# Altium PCB PATHOS_ControllerBoardExp.PcbDoc (part 3 of 4)
Units mm, origin at the board's own origin, x right, y up, seen from the top; angles counter-clockwise.
Board outline 165 x 96 mm, 4 copper layers (Top Layer, Mid-Layer 1, Mid-Layer 2, Bottom Layer), stack 1.642 mm thick; 300 components, 336 nets, 1573 pads, 768 vias.
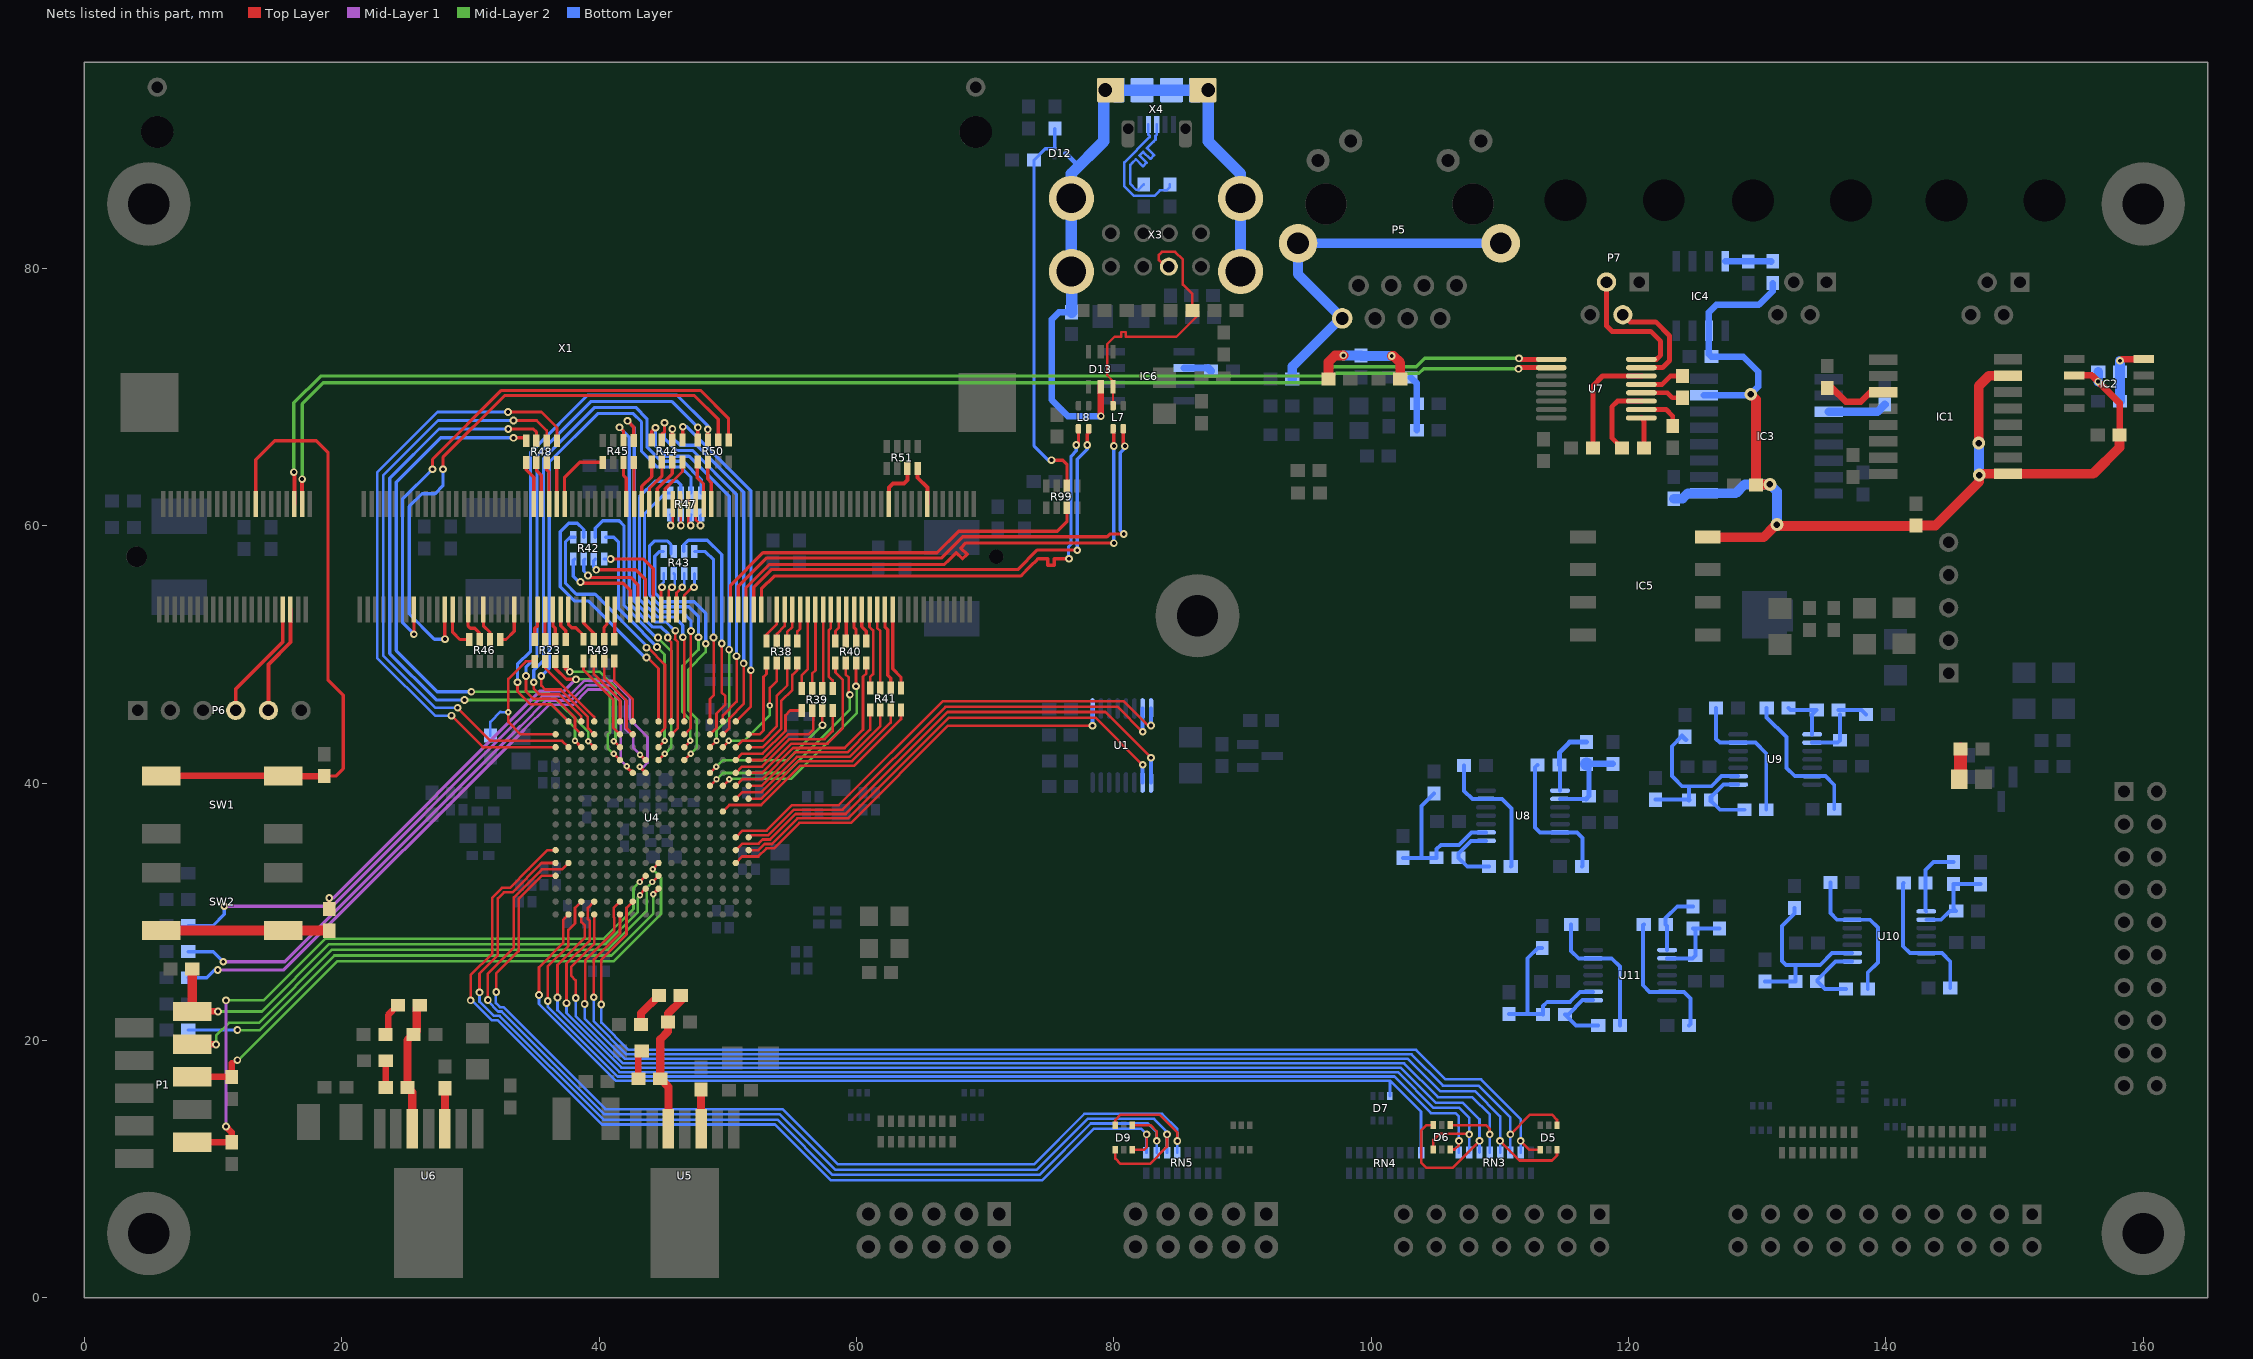
[diagram p5: the nets of this part, all layers, seen from the top]

## Via types
v1: diameter 0.7, hole 0.3, Top Layer to Bottom Layer, 397 vias
v2: diameter 0.6, hole 0.3, Top Layer to Bottom Layer, 248 vias
v3: diameter 0.5, hole 0.2, Top Layer to Bottom Layer, 95 vias
v4: diameter 1, hole 0.5, Top Layer to Bottom Layer, 28 vias

## Nets (pads, with @x,y where several pads share a name; then routed paths per layer and width w, separated by ;. In a path a pad name is that pad's centre, name@x,y a point inside that pad or via, vN(x,y) a via of type N, cw(c..) or ccw(c..) an arc to the next point about the centre after c; other vN are vias at no path point) (continued)
FPGA_EXT.PWM_5: D9.6 RN5.4 U4.A4 | length 81.2
  Top Layer w0.203: v2(32.006,23.761) 32.006,25.198 33.744,26.937 33.744,30.997 35.534,32.787 U4.A4@36.62,32.787 ; D9.6@80.122,13.396 80.122,13.828 80.518,14.224 83.566,14.224 84.935,12.855 v2(84.935,12.191)
  Bottom Layer w0.203: v2(32.006,23.761) 31.977,23.732 31.977,22.908 32.294,22.591 32.565,22.591 40.5,14.656 54.254,14.656 58.547,10.363 73.787,10.363 77.724,14.3 83.744,14.3 84.935,13.109 v2(84.935,12.191) RN5.4@84.935,11.273
FPGA_EXT.PWM_6: D9.1 RN5.3 U4.B5 | length 82.5
  Top Layer w0.203: v2(31.354,23.133) 31.354,25.182 33.376,27.203 33.376,31.114 35.552,33.29 37.122,33.29 U4.B5@37.62,33.787 ; D9.1@80.122,11.496 80.122,10.81 80.518,10.414 82.804,10.414 84.135,11.745 v2(84.135,12.7)
  Bottom Layer w0.203: v2(31.354,23.133) 31.354,23.046 32.152,22.248 32.423,22.248 40.422,14.249 54.051,14.249 58.344,9.957 74.016,9.957 77.965,13.906 83.121,13.906 84.135,12.893 v2(84.135,12.7) RN5.3@84.135,11.273
FPGA_EXT.PWM_7: D9.4 RN5.2 U4.A5 | length 78.8
  Top Layer w0.203: v2(30.709,23.732) 30.709,25.197 32.131,26.619 32.131,31.044 32.596,31.509 33.261,31.509 35.54,33.787 U4.A5@36.62,33.787 ; D9.4@81.422,13.396 82.87,13.396 83.335,12.931 v2(83.335,12.192)
  Bottom Layer w0.203: v2(30.709,23.732) 30.709,23.012 31.816,21.906 32.275,21.906 40.338,13.843 53.848,13.843 58.141,9.55 74.219,9.55 78.207,13.538 82.649,13.538 83.335,12.852 v2(83.335,12.192) RN5.2@83.335,11.273
FPGA_EXT.PWM_8: D9.3 RN5.1 U4.A6 | length 78.9
  Top Layer w0.203: v2(30.019,23.11) 30.019,25.092 31.699,26.772 31.699,31.097 32.454,31.852 33.071,31.852 34.525,33.306 36.006,34.787 U4.A6@36.62,34.787 ; D9.3@81.422,11.496 82.362,11.496 82.55,11.684 v2(82.55,12.7)
  Bottom Layer w0.203: v2@30.019,23.132 v2(30.019,23.11) 30.126,23.11 31.674,21.563 32.133,21.563 40.234,13.462 53.67,13.462 57.988,9.144 74.447,9.144 78.442,13.139 82.111,13.139 82.535,12.715 RN5.1@82.535,11.273
FPGA_EXT.READY_DRV_1: D5.4 RN3.7 U4.G2 | length 89.4
  Top Layer w0.203: v2(40.17,22.79) 40.17,26.273 42.129,28.231 42.129,30.296 U4.G2@42.62,30.787 ; v2(111.617,12.192) 112.313,11.496 D5.4@113.142,11.496
  Bottom Layer w0.203: v2(40.17,22.79) 40.17,21.375 42.276,19.269 103.489,19.269 105.791,16.967 108.534,16.967 111.617,13.885 v2(111.617,12.192) RN3.7@111.617,11.288
FPGA_EXT.READY_DRV_2: D5.1 RN3.6 U4.F1 | length 91
  Top Layer w0.203: v2(39.584,23.349) 39.584,26.288 41.62,28.324 U4.F1@41.62,29.787 ; v2(110.817,12.7) 112.341,14.224 114.046,14.224 114.442,13.828 D5.1@114.442,13.396
  Bottom Layer w0.203: v2(39.584,23.349) 39.584,21.476 42.146,18.914 103.133,18.914 105.562,16.485 108.331,16.485 110.817,13.999 v2(110.817,12.7) RN3.6@110.817,11.288
FPGA_EXT.READY_DRV_3: D5.6 RN3.5 U4.F2 | length 93
  Top Layer w0.203: v2(38.875,22.834) 38.913,22.872 38.913,26.213 41.175,28.475 41.175,29.537 41.129,29.584 41.129,30.296 U4.F2@41.62,30.787 ; v2(110.017,12.192) 111.541,10.668 114.046,10.668 114.442,11.064 D5.6@114.442,11.496
  Bottom Layer w0.203: v2(38.875,22.834) 38.875,21.7 42.008,18.567 102.845,18.567 105.359,16.053 108.052,16.053 110.017,14.088 v2(110.017,12.192) RN3.5@110.017,11.288
FPGA_EXT.READY_DRV_4: D6.4 RN3.4 U4.D1 | length 89.5
  Top Layer w0.203: v2(38.182,23.296) 38.182,24.674 37.83,25.027 37.83,25.714 39.62,27.504 U4.D1@39.62,29.787 ; D6.4@106.136,13.421 108.905,13.421 109.217,13.11 v2(109.217,12.7)
  Bottom Layer w0.203: v2(38.182,23.296) 38.182,21.907 41.866,18.224 102.565,18.224 105.193,15.596 107.848,15.596 109.217,14.227 v2(109.217,12.7) RN3.4@109.217,11.288
FPGA_EXT.READY_DRV_5: D6.6 RN3.3 U4.D2 | length 95.8
  Top Layer w0.203: v2(37.464,22.896) 37.464,25.958 39.277,27.771 39.277,29.281 39.128,29.43 39.128,30.295 U4.D2@39.62,30.787 ; D6.6@104.836,13.421 104.303,13.421 103.886,13.005 103.886,10.516 104.3,10.102 106.327,10.102 v2(108.417,12.192)
  Bottom Layer w0.203: v2(37.464,22.896) 37.464,22.141 41.724,17.881 102.287,17.881 105.004,15.164 107.112,15.164 108.417,13.859 v2(108.417,12.192) RN3.3@108.417,11.288
FPGA_EXT.READY_DRV_6: D6.1 RN3.2 U4.C1 | length 89.2
  Top Layer w0.203: v2(36.763,23.34) 36.763,25.866 38.886,27.99 38.886,28.934 38.62,29.201 U4.C1@38.62,29.787 ; D6.1@104.836,11.521 104.836,12.279 105.291,12.733 107.583,12.733 v2(107.617,12.7)
  Bottom Layer w0.203: v2(36.763,23.34) 36.763,22.357 41.582,17.538 102.071,17.538 104.851,14.757 106.858,14.757 107.617,13.999 v2(107.617,12.7) RN3.2@107.617,11.288
FPGA_EXT.READY_DRV_7: D6.3 RN3.1 U4.C2 | length 87.5
  Top Layer w0.203: v2(36.009,23.056) 36.009,25.747 37.609,27.348 37.609,28.577 38.129,29.096 38.129,30.296 U4.C2@38.62,30.787 ; D6.3@106.136,11.521 106.492,11.521 106.817,11.846 v2(106.817,12.192)
  Bottom Layer w0.203: v2(36.009,23.056) 36.009,22.63 36.007,22.628 41.44,17.195 101.804,17.195 104.648,14.351 106.553,14.351 106.817,14.087 v2(106.817,12.192) RN3.1@106.817,11.288
FPGA_EXT.READY_DRV_8: D7.6 RN4.8 U4.B1 | length 84.3
  Top Layer w0.203: v2(35.325,23.523) 35.325,25.673 37.208,27.556 37.208,29.375 U4.B1@37.62,29.787
  Bottom Layer w0.203: v2(35.325,23.523) 35.325,22.826 41.298,16.852 101.487,16.852 103.874,14.464 RN4.8@103.874,11.269 ; D7.6@101.463,15.682 101.463,16.837
FPGA_SPI_DAC.C\L\R\: U1.9 U4.R5 | length 33.5
  Top Layer w0.203: U4.R5@50.62,33.787 51.123,34.29 52.36,34.29 52.994,34.924 53.577,34.924 55.559,36.906 59.563,36.906 67.111,44.454 v2(78.343,44.454)
  Bottom Layer w0.305: v2(78.343,44.454) U1.9@78.343,45.794
FPGA_SPI_DAC.L\D\A\C\: U1.1 U4.R6 | length 40.1
  Top Layer w0.203: U4.R6@50.62,34.787 51.128,35.296 52.396,35.296 52.71,35.61 53.293,35.61 55.275,37.592 59.157,37.592 67.081,45.517 79.344,45.517 v2(82.893,41.968)
  Bottom Layer w0.305: U1.1@82.893,40.044 v2(82.893,41.968)
FPGA_SPI_DAC.MOSI: U1.15 U4.T7 | length 37.4
  Top Layer w0.203: U4.T7@51.62,35.787 51.786,35.953 53.151,35.953 55.133,37.935 58.915,37.935 66.904,45.923 80.306,45.923 v2(82.243,43.986)
  Bottom Layer w0.305: v2(82.243,43.986) U1.15@82.243,45.793
FPGA_SPI_DAC.S\Y\N\C\: U1.2 U4.T6 | length 37.8
  Top Layer w0.203: U4.T6@51.62,34.787 52.372,34.787 52.852,35.267 53.435,35.267 55.417,37.249 59.347,37.249 67.158,45.06 78.603,45.06 v2(82.243,41.42)
  Bottom Layer w0.305: U1.2@82.243,40.044 v2(82.243,41.42)
FPGA_SPI_DAC.SCLK: U1.16 U4.R7 | length 38.7
  Top Layer w0.203: U4.R7@50.62,35.787 51.129,36.296 53.009,36.296 54.991,38.278 58.623,38.278 66.7,46.355 80.772,46.355 82.648,44.479 v2(82.893,44.479)
  Bottom Layer w0.305: v2(82.893,44.479) U1.16@82.893,45.794
GND_ISO: C83.1 C84.1 C86.1 C87.1 C90.1 IC1.9 IC1.15 IC2.2 IC3.9 IC3.15 IC4.2 IC5.7 R26.1 R29.1 | length 92.3
  Top Layer w0.508: IC2.2@154.65,71.679 156.011,71.679 158.157,69.533 C86.1@158.157,67.047
  Top Layer w0.762: IC5.7@126.16,59.097 130.488,59.097 131.362,59.972 C84.1@142.407,59.972 ; v4(129.497,70.213) 129.901,69.808 C90.1@129.901,63.159 129.951,63.209 v4(130.98,63.209) ; C84.1@142.352,60.008 143.844,60.008 147.258,63.422 v4(147.258,63.925) ; v4(147.216,66.415) 147.216,70.866 148.003,71.654 IC1.15@149.485,71.654 ; v4@147.366,64.034 IC1.9@149.485,64.034 156.114,64.034 158.157,66.076 C86.1@158.157,67.047
  Bottom Layer w0.508: IC3.15@125.863,70.14 129.409,70.14 130.081,70.811 130.081,71.963 128.91,73.134 C83.1@126.446,73.134 126.245,73.334 IC4.2@126.245,75.136 126.245,76.581 126.828,77.164 130.135,77.164 131.203,78.231 R29.1@131.203,78.849
  Bottom Layer w0.762: C87.1@123.511,62.096 124.194,62.096 124.618,62.52 IC3.9@125.863,62.52 128.336,62.52 129.025,63.209 v4(130.98,63.209) 131.529,62.659 v4@131.529,60.126 ; v4@147.234,63.925 v4@147.234,66.415 ; v2(156.496,71.194) R26.1@156.496,71.96
  other v4: 131.529,60.089
MI.ADDR0: R42.1A U4.J15 | length 20.1
  Top Layer w0.203: v2(43.688,50.521) 43.79,50.521 45.12,49.19 45.12,44.287 U4.J15@44.62,43.787
  Bottom Layer w0.254: R42.1A@38.1,59.106 37.744,59.106 37.389,58.75 37.389,55.524 38.24,54.673 39.688,54.673 v2@43.79,50.571
MI.ADDR1: R42.1B U4.J16 | length 21.6
  Top Layer w0.203: v2(43.688,49.759) 43.764,49.759 44.62,48.903 U4.J16@44.62,44.787
  Bottom Layer w0.203: v2@43.561,49.759 v2(43.688,49.759)
  Bottom Layer w0.254: R42.1B@38.798,59.106 38.798,59.703 38.303,60.198 37.643,60.198 36.982,59.538 36.982,55.245 38.075,54.153 39.167,54.153 v2@43.561,49.759
MI.ADDR2: R42.1C U4.J13 | length 23.7
  Top Layer w0.203: U4.J13@44.62,41.787 45.098,42.266 v3(45.11,42.266)
  Mid-Layer 2 w0.203: v2@44.514,51.346 45.593,50.267 45.593,42.748 v3(45.11,42.266)
  Bottom Layer w0.254: R42.1C@39.7,59.106 39.7,59.791 40.284,60.376 41.567,60.376 ; 41.567,60.325 41.567,60.376 ; v2(44.577,51.308) 44.437,51.308 41.935,53.809 41.935,60.008 41.567,60.376
MI.ADDR3: R42.1D U4.J14 | length 18.8
  Top Layer w0.203: U4.J14@44.62,42.787 45.089,43.256 45.085,43.26 v3(45.085,43.282)
  Mid-Layer 2 w0.203: v2(44.507,50.568) 45.085,49.991 v3(45.085,43.282)
  Bottom Layer w0.254: R42.1D@40.5,59.106 41.148,59.106 41.504,58.75 41.504,53.59 43.38,51.714 43.38,51.696 v2(44.507,50.568)
MI.ADDR4: R43.1A U4.L13 | length 21
  Top Layer w0.203: U4.L13@46.62,41.787 47.098,42.266 v3(47.117,42.266)
  Mid-Layer 2 w0.203: v3(47.117,42.266) 47.583,42.731 47.583,45 46.939,45.644 46.939,48.819 48.285,50.165 v2(48.285,50.825)
  Bottom Layer w0.254: R43.1A@45.009,57.988 44.679,57.988 44.315,57.625 44.315,54.77 44.996,54.089 47.384,54.089 48.293,53.18 48.293,51.099 48.285,51.091 v2(48.285,50.825)
MI.ADDR5: R43.1B U4.L14 | length 22.1
  Top Layer w0.203: U4.L14@46.62,42.787 47.092,43.259 v3(47.092,43.282)
  Mid-Layer 2 w0.203: v3(47.092,43.282) 47.092,44.905 46.469,45.527 46.469,49.111 47.727,50.368 v2(47.727,51.333)
  Bottom Layer w0.254: R43.1B@45.58,57.81 45.58,58.534 45.525,58.589 45.525,58.599 45.369,58.755 45.36,58.755 45.314,58.801 44.272,58.801 43.921,58.45 43.921,54.607 44.833,53.696 46.965,53.696 47.727,52.934 v2(47.727,51.333)
MI.ADDR6: R43.1C U4.N15 | length 18.6
  Top Layer w0.203: U4.N15@48.62,43.787 49.124,44.291 49.124,45.406 49.809,46.092 49.809,46.761 49.53,47.041 v2(49.53,50.851)
  Bottom Layer w0.254: R43.1C@46.583,58.014 46.583,58.521 46.939,58.877 48.412,58.877 49.53,57.76 v2(49.53,50.851)
MI.ADDR7: R43.1D U4.N16 | length 14.4
  Top Layer w0.203: U4.N16@48.62,44.787 48.62,46.533 48.895,46.808 v2(48.895,51.308)
  Bottom Layer w0.254: R43.1D@47.409,57.988 48.26,57.988 48.895,57.353 v2(48.895,51.308)
MI.ADDR8: R45.1B U4.K16 | length 26.1
  Top Layer w0.203: v2(45.339,51.308) 45.339,51.237 45.314,51.212 45.62,50.906 U4.K16@45.62,44.787
  Top Layer w0.254: v2(41.58,67.64) 41.897,67.323 R45.1B@41.897,66.624
  Bottom Layer w0.203: v2(45.339,51.308) 45.339,51.562 v2@45.364,51.587
  Bottom Layer w0.254: v2(41.58,67.64) 42.347,66.873 42.347,53.955 44.181,52.121 44.831,52.121 v2@45.364,51.587
MI.ADDR9: R45.1A U4.K15 | length 28.5
  Top Layer w0.203: U4.K15@45.62,43.787 46.12,44.287 46.12,50.955 45.898,51.177 45.923,51.203 v2(45.923,51.841)
  Top Layer w0.254: v2(42.215,68.148) 42.697,67.666 R45.1A@42.697,66.624
  Bottom Layer w0.203: v2@45.872,51.841 v2(45.923,51.841)
  Bottom Layer w0.254: v2(42.215,68.148) 42.74,67.623 42.74,54.118 44.344,52.514 45.199,52.514 v2@45.872,51.841
MI.ADDR10: R44.1D U4.N14 | length 30
  Top Layer w0.203: U4.N14@48.62,42.787 49.114,43.282 v3(49.124,43.282)
  Top Layer w0.254: R44.1D@44.082,66.65 44.082,67.323 v2(44.374,67.615)
  Mid-Layer 2 w0.203: v3(49.124,43.282) 49.124,44.069 50.114,45.06 50.106,45.067 v2(50.106,50.368)
  Bottom Layer w0.254: v2(44.374,67.615) 44.374,66.218 45.187,65.405 46.99,65.405 50.106,62.289 v2(50.106,50.368)
MI.ADDR11: R44.1C U4.P16 | length 28.2
  Top Layer w0.203: U4.P16@49.62,44.787 49.62,45.251 50.691,46.322 50.691,49.852 50.683,49.86 v2(50.673,49.86)
  Top Layer w0.254: R44.1C@44.882,66.65 44.882,67.107 45.085,67.31 v2(45.085,67.996)
  Bottom Layer w0.254: v2(45.085,67.996) 45.085,66.751 45.987,65.849 47.257,65.849 50.673,62.433 v2(50.673,49.86)
MI.ADDR12: R44.1B U4.P15 | length 28.3
  Top Layer w0.203: v2@45.682,67.45 v2@45.695,67.462 ; U4.P15@49.62,43.787 50.114,44.282 50.114,45.034 51.232,46.152 v2(51.232,49.301)
  Top Layer w0.254: R44.1B@45.682,66.65 v2@45.682,67.45
  Bottom Layer w0.203: v2(51.232,49.301) v2@51.24,49.309
  Bottom Layer w0.254: v2(45.695,67.513) 45.695,66.853 46.304,66.243 47.6,66.243 51.24,62.603 v2@51.24,49.309
MI.ADDR13: R44.1A U4.R16 | length 26.8
  Top Layer w0.203: R44.1A@46.482,66.65 R44.1A@46.507,66.675 ; U4.R16@50.62,44.787 51.791,45.958 v2(51.791,48.768)
  Top Layer w0.254: R44.1A@46.507,66.675 v2(46.507,67.691)
  Bottom Layer w0.254: v2(46.507,67.691) 46.812,67.691 51.798,62.705 51.798,48.776 v2(51.791,48.768)
MI.ADDR14: R47.1A U4.L15 | length 22.6
  Top Layer w0.203: U4.L15@46.62,43.787 47.129,44.296 47.129,51.802 v2(47.142,51.816)
  Bottom Layer w0.254: R47.1A@45.542,62.535 45.136,62.535 43.528,60.927 43.528,54.444 44.67,53.302 46.469,53.302 47.142,52.629 v2(47.142,51.816)
MI.ADDR15: R47.1B U4.L16 | length 24.1
  Top Layer w0.203: v2(46.507,51.333) 46.62,51.221 U4.L16@46.62,44.787
  Bottom Layer w0.254: R47.1B@46.342,62.535 46.342,63.183 46.076,63.449 44.348,63.449 43.134,62.235 43.134,54.281 44.507,52.908 45.847,52.908 46.507,52.248 v2(46.507,51.333)
MI.BE0#: R47.1C U4.D15 | length 41
  Top Layer w0.203: v2(35.509,48.311) 35.509,47.574 35.814,47.269 37.005,47.269 39.129,45.146 39.129,44.279 U4.D15@39.62,43.787
  Bottom Layer w0.254: v2(35.509,48.311) 36.131,48.933 36.131,64.948 39.898,68.715 42.643,68.715 43.294,68.064 43.294,65.775 44.516,64.554 46.344,64.554 47.142,63.756 R47.1C@47.142,62.535
MI.BE1#: R47.1D U4.C16 | length 41.8
  Top Layer w0.203: v2(34.925,47.828) 34.925,47.32 35.331,46.914 36.876,46.914 38.62,45.17 U4.C16@38.62,44.787
  Bottom Layer w0.254: v2(34.925,47.828) 34.925,48.772 35.687,49.534 35.687,65.227 39.649,69.19 42.85,69.19 43.713,68.326 43.713,66.116 44.831,64.999 46.528,64.999 47.942,63.585 R47.1D@47.942,62.535
MI.CS0#: R49.1C U4.G15 | length 6.6
  Top Layer w0.203: R49.1C@40.386,49.479 40.386,48.159 42.129,46.416 42.129,44.279 U4.G15@42.62,43.787
MI.CS1#: R49.1D U4.G16 | length 5.3
  Top Layer w0.203: R49.1D@41.186,49.479 41.186,47.917 42.62,46.483 U4.G16@42.62,44.787
MI.DATA0: R38.1A U4.T15 | length 6.6
  Top Layer w0.203: U4.T15@51.62,43.787 52.474,43.787 52.773,44.086 52.773,48.251 53.007,48.486 R38.1A@53.007,49.341
MI.DATA1: R38.1B U4.P14 | length 8.9
  Top Layer w0.203: U4.P14@49.62,42.787 50.089,43.256 v3(50.089,43.282) ; v3(53.264,46.025) 53.264,47.396 53.807,47.94 R38.1B@53.807,49.341
  Mid-Layer 2 w0.203: v3(50.089,43.282) 51.257,43.282 53.264,45.288 v3@53.264,45.923
MI.DATA2: R38.1C U4.R14 | length 9.1
  Top Layer w0.203: U4.R14@50.62,42.787 51.114,43.282 52.68,43.282 53.797,44.399 53.797,46.761 54.635,47.6 54.635,49.313 R38.1C@54.607,49.341
MI.DATA3: R38.1D U4.T14 | length 8.8
  Top Layer w0.203: U4.T14@51.62,42.787 52.723,42.787 54.14,44.204 54.14,46.368 55.016,47.244 55.016,48.412 55.407,48.803 R38.1D@55.407,49.341
MI.DATA4: R39.1A U4.R13 | length 7.4
  Top Layer w0.203: U4.R13@50.62,41.787 51.111,42.279 52.699,42.279 54.483,44.062 54.483,45.263 54.853,45.633 R39.1A@55.751,45.633
MI.DATA5: R39.1B U4.T13 | length 7.5
  Top Layer w0.203: U4.T13@51.62,41.787 52.693,41.787 54.695,43.79 56.261,43.79 56.642,44.171 56.642,45.542 R39.1B@56.551,45.633
MI.DATA6: R39.1C U4.N12 | length 11.4
  Top Layer w0.203: U4.N12@48.62,40.787 v3(49.108,41.275) ; R39.1C@57.351,45.633 57.353,45.63 v2(57.353,44.501)
  Mid-Layer 2 w0.203: v3(49.108,41.275) 49.616,41.783 54.635,41.783 v2(57.353,44.501)
MI.DATA7: R39.1D U4.R12 | length 10.5
  Top Layer w0.203: U4.R12@50.62,40.787 51.111,41.279 52.669,41.279 54.799,43.409 57.531,43.409 58.151,44.028 R39.1D@58.151,45.633
MI.DATA8: R40.1A U4.T12 | length 14.1
  Top Layer w0.203: U4.T12@51.62,40.787 52.663,40.787 54.941,43.066 57.747,43.066 58.928,44.247 58.928,48.031 58.367,48.593 R40.1A@58.367,49.341
MI.DATA9: R40.1B U4.N11 | length 17.2
  Top Layer w0.203: U4.N11@48.62,39.787 49.117,40.284 v3(49.124,40.284) ; R40.1B@59.167,49.341 59.167,48.453 59.411,48.209 59.411,46.838 59.436,46.863 v2(59.487,46.863)
  Mid-Layer 1 w0.203: v2@59.461,46.863 v2(59.487,46.863)
  Mid-Layer 2 w0.203: v3(49.124,40.284) 49.623,40.784 54.551,40.784 59.487,45.72 v2(59.487,46.863)
MI.DATA10: R40.1C U4.P11 | length 16.8
  Top Layer w0.203: U4.P11@49.62,39.787 50.114,40.282 v3(50.114,40.284) ; R40.1C@59.967,49.341 59.967,47.501 59.969,47.503 v2(59.969,47.523)
  Mid-Layer 1 w0.203: v2(59.969,47.523) 59.969,47.498 v2@59.995,47.473
  Mid-Layer 2 w0.203: v3(50.114,40.284) 50.152,40.322 54.902,40.322 60.028,45.448 60.028,47.465 v2(59.969,47.523)
MI.DATA11: R40.1D U4.R11 | length 17
  Top Layer w0.203: U4.R11@50.62,39.787 51.117,40.284 52.645,40.284 55.083,42.723 59.08,42.723 60.511,44.153 60.511,48.268 60.767,48.524 R40.1D@60.767,49.341
MI.DATA12: R41.1A U4.T11 | length 12.8
  Top Layer w0.203: U4.T11@51.62,39.787 52.633,39.787 55.225,42.38 59.296,42.38 61.059,44.143 R41.1A@61.059,45.684
MI.DATA13: R41.1B U4.R10 | length 14.8
  Top Layer w0.203: U4.R10@50.62,38.787 51.126,39.294 52.624,39.294 55.367,42.037 59.461,42.037 61.859,44.435 R41.1B@61.859,45.684
MI.DATA14: R41.1C U4.T10 | length 14.5
  Top Layer w0.203: U4.T10@51.62,38.787 52.602,38.787 55.509,41.694 59.652,41.694 62.659,44.701 R41.1C@62.659,45.684
MI.DATA15: R41.1D U4.P9 | length 17.5
  Top Layer w0.203: U4.P9@49.62,37.787 50.128,38.295 52.595,38.295 55.651,41.351 59.842,41.351 63.459,44.968 R41.1D@63.459,45.684
MI.DF_RE_OE#: R50.1D U4.C15 | length 41.2
  Top Layer w0.203: v2(34.315,48.311) 34.315,47.117 34.874,46.558 36.652,46.558 38.129,45.082 38.129,44.279 U4.C15@38.62,43.787 ; v2@47.663,67.754 47.676,67.742 v2(47.676,67.64)
  Top Layer w0.254: R50.1D@47.663,66.65 v2@47.663,67.754
  Bottom Layer w0.254: v2(34.315,48.311) 34.315,48.997 35.179,49.86 35.179,65.481 39.345,69.647 45.669,69.647 v2(47.676,67.64)
MI.DF_WE#: R50.1C U4.B16 | length 41.7
  Top Layer w0.203: v2(33.655,47.828) 33.655,47.117 34.646,46.126 36.281,46.126 U4.B16@37.62,44.787 ; v2@48.436,67.515 48.438,67.513 v2(48.438,67.488)
  Top Layer w0.254: R50.1C@48.436,66.65 v2@48.436,67.515
  Bottom Layer w0.203: v2(48.438,67.488) v2@48.438,67.64
  Bottom Layer w0.254: v2(33.655,47.828) 33.655,49.225 34.671,50.241 34.671,65.71 39.116,70.155 46.05,70.155 48.438,67.767 v2@48.438,67.64
MI.OE#: R23.1C R24.2 U4.F13 | length 38.3
  Top Layer w0.203: v3@41.148,42.259 U4.F13@41.62,41.787
  Top Layer w0.254: R24.2@19.025,30.224 v2(19.025,31.064) ; R23.1C@36.601,49.454 36.601,48.921 37.465,48.057 v2(38.202,48.057) ; v3@41.148,42.259 v3(41.148,42.291)
  Mid-Layer 1 w0.254: v2(19.025,31.064) 19.331,31.064 35.422,47.155 37.3,47.155 v2(38.202,48.057)
  Mid-Layer 2 w0.203: v2(38.202,48.057) 39.776,48.057 40.843,46.99 40.843,43.942 40.657,43.756 40.657,42.731 v3@41.123,42.266
MI.PWE#: R49.1B U4.F16 | length 5.5
  Top Layer w0.203: R49.1B@39.586,49.479 39.586,48.474 41.62,46.44 U4.F16@41.62,44.787
MI.RD_WR#: R23.1D U4.F14 | length 9.9
  Top Layer w0.203: v3(41.148,43.256) 41.151,43.256 U4.F14@41.62,42.787
  Top Layer w0.305: R23.1D@37.401,49.454 37.401,48.908 37.668,48.641 v2(37.719,48.641)
  Mid-Layer 2 w0.203: v2(37.719,48.641) 40.056,48.641 41.275,47.422 41.275,43.383 v3(41.148,43.256)
MI.RDY: R49.1A U4.F15 | length 6.9
  Top Layer w0.203: R49.1A@38.786,49.479 38.786,48.789 41.111,46.463 41.111,44.296 U4.F15@41.62,43.787
MI.WE#: R23.1B U4.D16 | length 6.2
  Top Layer w0.203: R23.1B@35.801,49.454 35.801,48.959 39.62,45.14 U4.D16@39.62,44.787
NetC71_2: C71.2 R15.2 | length 2.2
  Top Layer w0.508: R15.2@43.055,17.018 C71.2@43.055,19.171
NetC74_2: C74.2 U5.3 | length 3.1
  Top Layer w0.635: U5.3@47.93,13.122 C74.2@47.93,16.182
NetC77_2: C77.2 R19.2 | length 2.1
  Top Layer w0.508: C77.2@23.417,18.415 23.417,16.336 R19.2@23.421,16.332
NetC80_2: C80.2 U6.3 | length 3.2
  Top Layer w0.635: U6.3@28.016,13.122 C80.2@28.016,16.283
NetC91_2: C91.2 R32.1 R33.2 | length 4.3
  Bottom Layer w0.508: C91.2@103.065,71.535 103.551,71.049 R33.2@103.551,69.478 103.551,67.422 R32.1@103.55,67.421
NetC92_2: C92.2 R34.1 R35.2 | length 8.6
  Top Layer w0.762: R35.2@96.674,71.399 96.674,72.722 97.187,73.235 v2(97.837,73.235) ; v2(101.594,73.188) 101.738,73.188 102.26,72.665 R34.1@102.26,71.399